# KiCad board keyboard.kicad_pcb (continued)
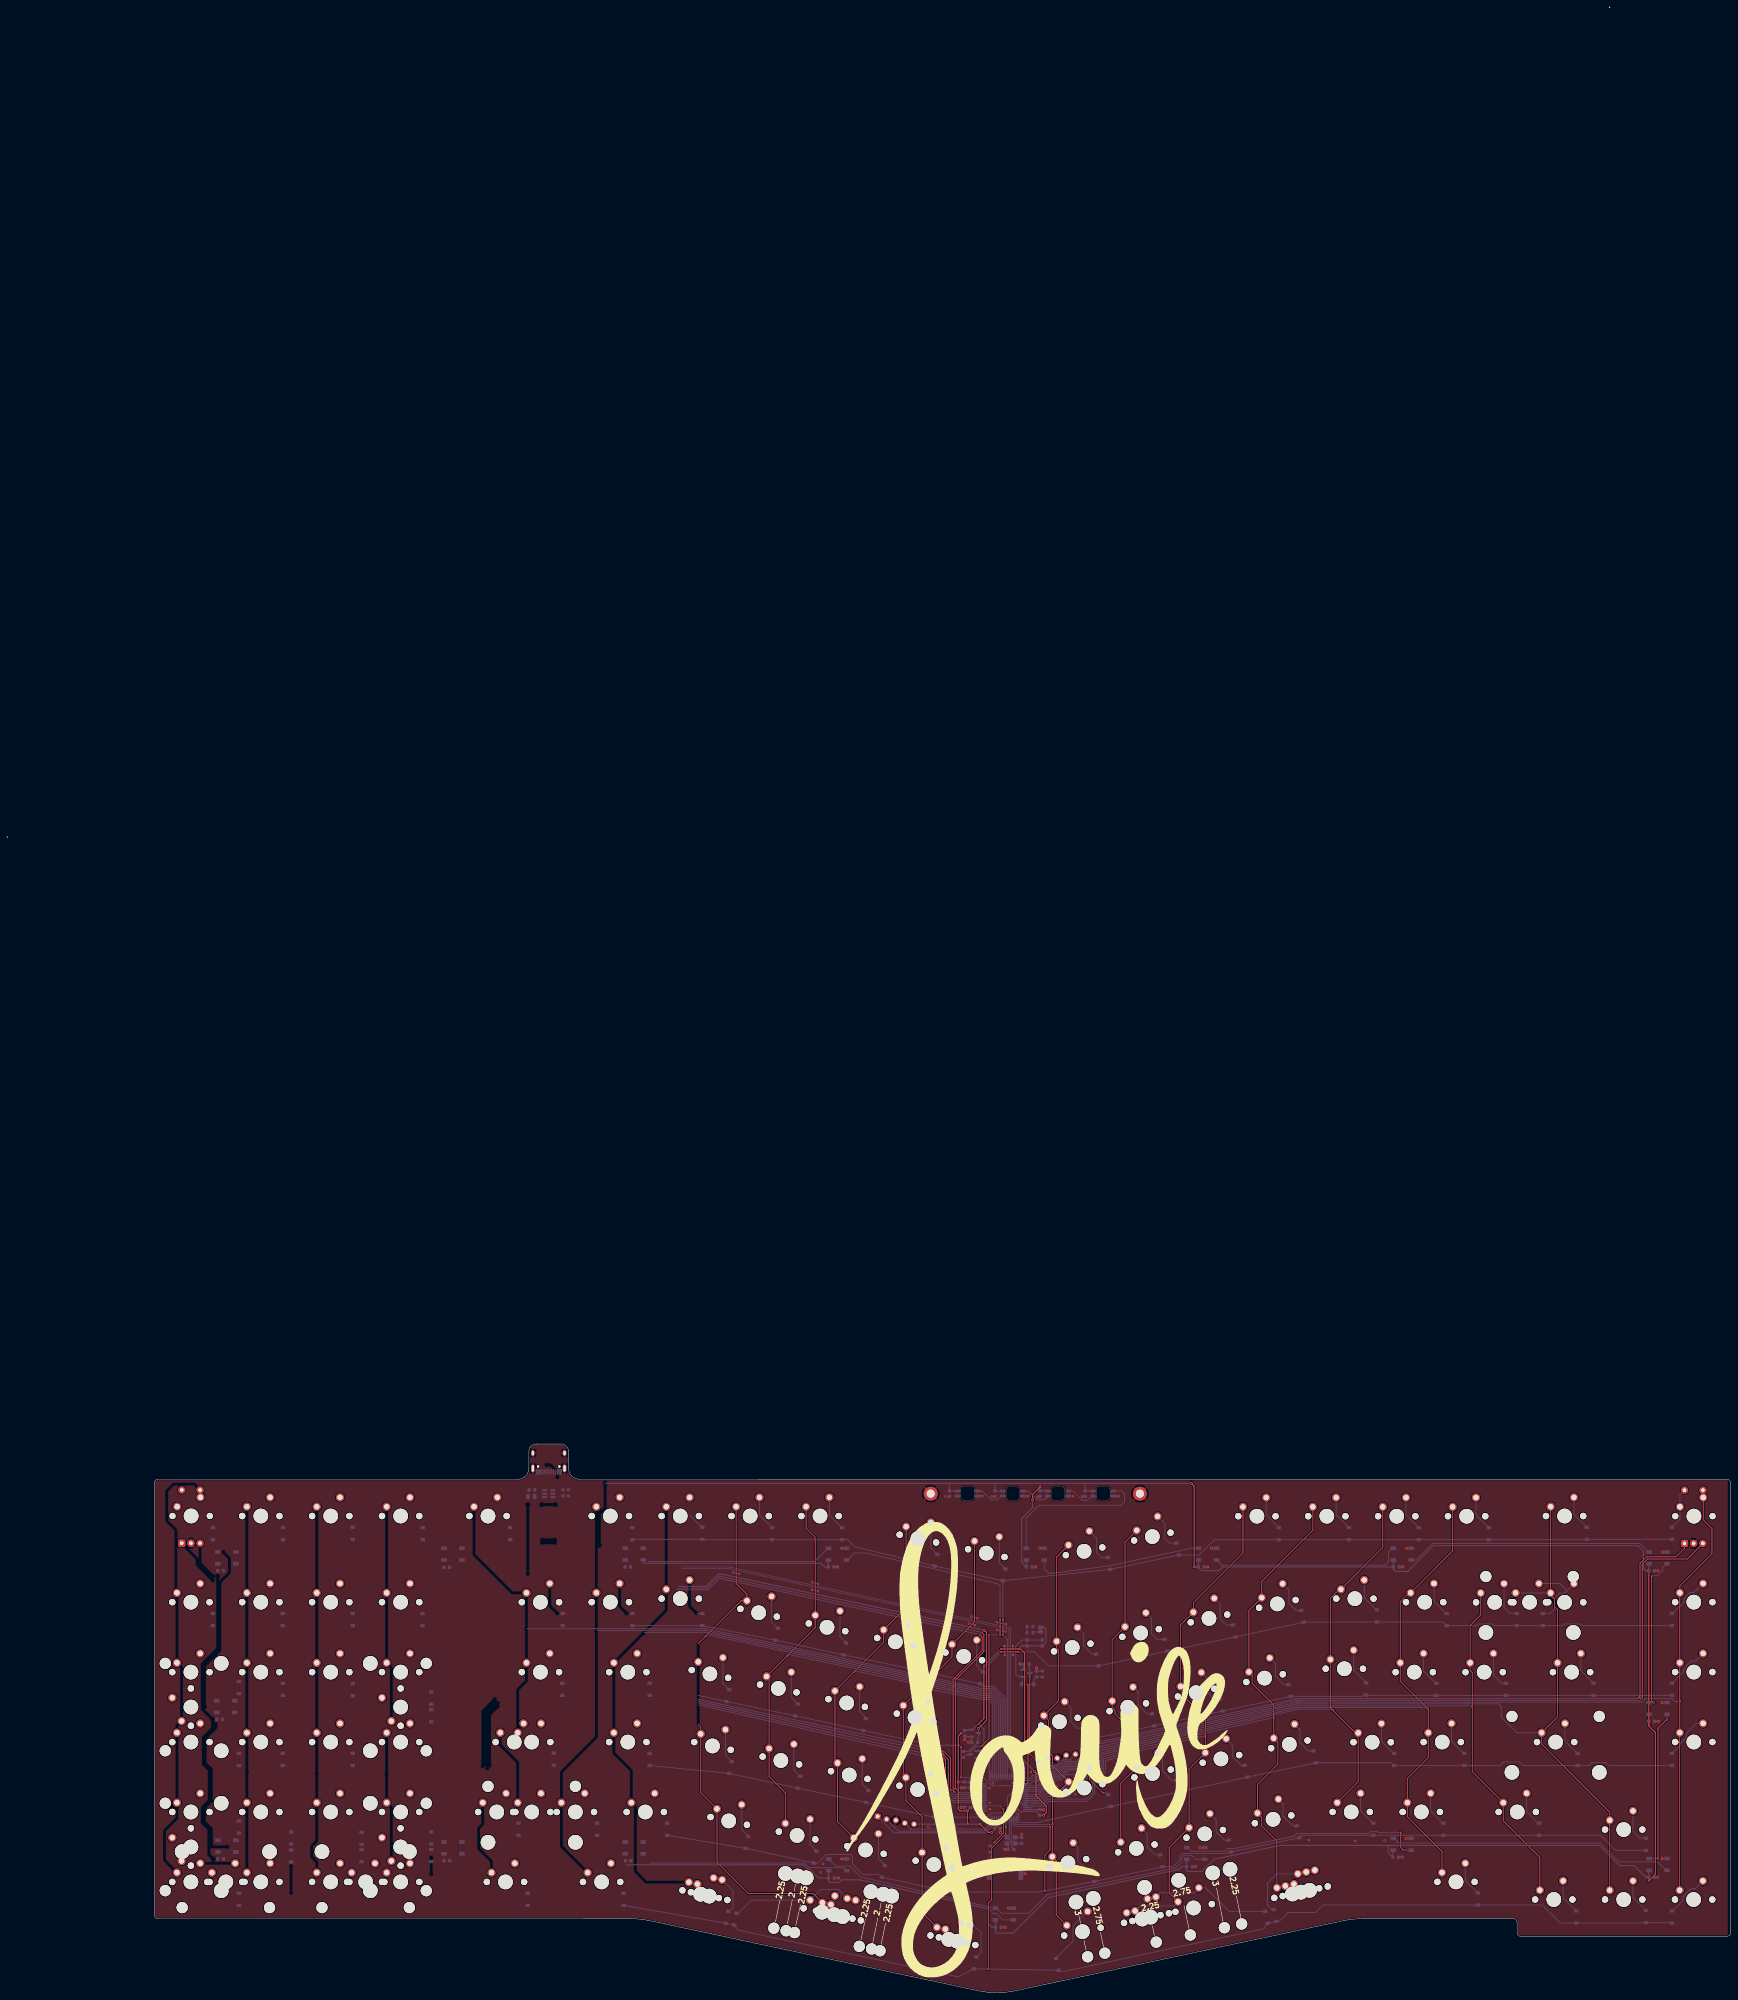
[diagram p0: board, top side]
## Routing (per net, layer and track width the routed paths; a pad name or vN(x,y) marks a point on that pad's centre or on a via; arc(x,y) is an arc through that point) (continued)
/SPARE_0: length 36.2
  Bottom w0.25: J3.1 237.16,48 241.62,43.54 266.53,43.54 269.07,46.09 U3.14
/SPARE_1: length 32.4
  Bottom w0.25: U3.15 268.57,46.29 266.27,43.99 242.83,43.99 J3.2
/SPARE_2: length 26
  Bottom w0.25: U3.16 268.07,46.43 266.19,44.54 246.19,44.54 J3.4
/SWDCLK: length 14.3
  Bottom w0.25: U3.49 278.85,56.87 279.6,57.62 279.6,57.64 280.2,58.24 280.95,58.24 284.62,61.92 285.85,61.92 288.55,64.62 J2.4
/SWDIO: length 13.4
  Bottom w0.25: J2.2 283.58,62.32 280.51,59.24 279.43,59.24 278.62,58.44 276.75,58.44 275.82,57.52 274.82,57.52 274.57,57.77 U3.46
/USB+: length 133.4
  Bottom w0.2: U3.45 274.05,58.82 274.05,61.01 273.35,61.71 273.35,66.24 ; 273.35,66.24 274.48,66.24 R7.2 ; 273.35,66.24 273.35,99.17 273.32,99.34 196.55,115.97 183.75,115.97
/USB-: length 131.2
  Bottom w0.2: U3.44 273.6,58.82 273.6,60.82 272.95,61.48 272.95,98.92 196.45,115.52 183.9,115.52
/XTAL_0: length 9.1
  Bottom w0.25: U3.5 273.57,41.69 274.62,40.64 Y1.3 274.7,40.69 C26.1
/XTAL_1: length 9.4
  Bottom w0.25: 272.43,42.2 273.6,41.03 273.6,39.72 C27.1 ; Y1.1 273.07,42.97 U3.6
Net-(BZ1-Pad1): length 6
  Bottom w0.25: BZ1.1 267.48,36.59 267.82,36.94 R8.2
Net-(D7-Pad2): length 50.4
  Bottom w0.25: 174.82,117.44 220.03,117.44 223.62,121.04 D7.2
Net-(D7-Pad4): length 97.9
  Top w0.25: v1(267.53,97.44) 267.53,69.22 v1(265.43,67.12) ; v1(270.53,97.44) v1(270.53,101.64)
  Bottom w0.25: v1(270.53,97.44) v1(267.53,97.44) ; R2.2 261.35,64.87 Q1.3 262.39,65.45 264.06,67.12 v1(265.43,67.12) ; v1(270.53,101.64) 270.53,110.74 269.93,111.34 234.02,119.74 230.82,119.74 228.93,117.84 D7.4
Net-(D10-Pad2): length 42.8
  Top w0.25: v1(449.82,36.52) 449.82,72.02 v1(452.23,74.42)
  Bottom w0.25: D18.4 452.23,75.77 v1(452.23,74.42) ; D10.2 v1(449.82,36.52)
Net-(D10-Pad4): length 78.2
  Bottom w0.25: D10.4 452.03,33.32 449.73,35.62 439.15,35.62 434.03,40.74 379.24,40.74 377.96,42.02 D8.2
Net-(D18-Pad2): length 42
  Top w0.25: v1(448.62,79.02) 448.03,79.62 448.03,113.32 v1(448.32,113.62)
  Bottom w0.25: D18.2 v1(448.62,79.02) ; D20.4 452.12,116.82 451.12,115.82 451.12,115.02 449.73,113.62 v1(448.32,113.62)
Net-(D20-Pad2): length 67.6
  Bottom w0.25: D28.4 383.93,117.84 388.43,122.34 444.93,122.34 447.25,120.02 D20.2
Net-(D28-Pad2): length 52.2
  Bottom w0.25: D36.4 330.93,116.44 375.43,116.44 376.43,117.44 376.43,120.04 377.43,121.04 D28.2
Net-(D37-Pad2): length 54.5
  Bottom w0.25: 175.12,35.32 217.23,35.32 218.5,34.04 227.9,34.04 D45.4
Net-(D44-Pad2): length 8.3
  Bottom w0.25: D44.2 295.47,135.26 294.32,134.12 292.93,134.12 290.43,136.62 D46.4
Net-(D45-Pad2): length 55.2
  Bottom w0.25: D45.2 225.73,34.52 229.53,34.52 232.53,31.52 267.62,23.32 267.93,23.02 267.93,22.22 268.62,21.52 269.53,21.52 271.23,19.82 D51.4
Net-(D46-Pad2): length 8.2
  Bottom w0.25: D52.4 278.18,136.62 280.53,134.27 282.6,134.27 D46.2
Net-(D51-Pad2): length 63
  Bottom w0.25: D51.2 269.55,23.02 270.95,21.62 278.23,21.62 283.23,26.62 318.53,34.02 320.07,35.57 320.07,36.87 320.62,37.42 322.73,37.42 323.82,36.32 D53.4
Net-(D52-Pad2): length 8.3
  Bottom w0.25: D60.4 265.62,136.62 268.03,134.22 269.82,134.22 270.87,135.26 D52.2
Net-(D53-Pad2): length 67.2
  Top w0.25: v1(379.73,43.54) 379.73,39.52 v1(380.43,38.82)
  Bottom w0.25: v1(380.43,38.82) D8.4 ; v1(379.73,43.54) 373.62,43.54 373.32,43.84 371.43,43.84 370.9,43.32 351.4,43.32 350.73,42.64 334.32,39.24 332.53,39.24 331.8,38.52 322.62,38.52 321.62,39.52 D53.2
Net-(D54-Pad2): length 4.9
  Bottom w0.25: D54.2 189.27,126.77 185.92,130.13
Net-(D55-Pad2): length 1.5
  Bottom w0.25: D55.2 187.9,103.27
Net-(D59-Pad2): length 13.1
  Bottom w0.25: SW128.2 194.27,31.26 SW48.2 197.73,27.8 197.73,23.02 196.84,22.13 D59.2
Net-(D61-Pad2): length 9.7
  Bottom w0.25: SW50.2 204.96,130.13 D61.2
Net-(D62-Pad2): length 9.4
  Bottom w0.25: D62.2 208.28,100.92 SW51.2
Net-(D63-Pad2): length 9.4
  Bottom w0.25: D63.2 195,84.2 SW52.2
Net-(D64-Pad2): length 9.4
  Bottom w0.25: SW53.2 195.7,64.64 197.37,62.97 D64.2
Net-(D65-Pad2): length 9.4
  Bottom w0.25: SW54.2 200.12,44.42 201.87,42.67 D65.2
Net-(D66-Pad2): length 36.3
  Bottom w0.25: SW49.2 229.37,25.16 SW55.2 226.41,28.12 221.7,28.12 SW129.1 202.7,25.19 199.14,21.63 D66.2
Net-(D67-Pad2): length 9.8
  Bottom w0.25: SW58.2 224.01,130.03 227.38,126.67 D67.2
Net-(D68-Pad2): length 9.4
  Bottom w0.25: SW59.2 226.91,96.93 228.57,95.27 D68.2
Net-(D69-Pad2): length 9.4
  Bottom w0.25: D69.2 215.37,78.67 213.63,80.41 SW60.2
Net-(D70-Pad2): length 9.5
  Bottom w0.25: D70.2 214.33,60.67 SW61.2
Net-(D71-Pad2): length 9.4
  Bottom w0.25: D71.2 220.47,38.67 218.76,40.39 SW62.2
Net-(D72-Pad2): length 13.5
  Bottom w0.25: SW63.2 260.57,18.46 SW56.2 263.28,18.46 265.32,16.42 265.32,10.99 D72.2
Net-(D73-Pad2): length 19.8
  Bottom w0.25: D73.2 276.74,84.29 Q2.1 275.61,86.03 274.82,86.82 274.82,94.34 276.53,96.04 SW57.2 SW57.2
Net-(D74-Pad2): length 9.4
  Bottom w0.25: D74.2 251.67,121.13 SW64.2
Net-(D75-Pad2): length 9.4
  Bottom w0.25: D75.2 245.55,93.05 SW65.2
Net-(D76-Pad2): length 9.4
  Bottom w0.25: SW66.2 232.27,76.57 233.97,74.87 D76.2
Net-(D77-Pad2): length 9.4
  Bottom w0.25: D77.2 234.67,55.07 232.97,56.78 SW67.2
Net-(D78-Pad2): length 9.4
  Bottom w0.25: D78.2 239.07,34.77 237.39,36.45 SW68.2
Net-(D79-Pad2): length 16.4
  Bottom w0.25: SW69.2 290.43,18.14 290.43,14.02 285.78,9.37 D79.2
Net-(D80-Pad2): length 9.4
  Bottom w0.25: SW72.2 270.32,117.08 D80.2
Net-(D81-Pad2): length 9.4
  Bottom w0.25: D81.2 264.18,89.02 SW73.2
Net-(D82-Pad2): length 9.4
  Bottom w0.25: SW74.2 250.9,72.44 252.57,70.77 D82.2
Net-(D83-Pad2): length 9.4
  Bottom w0.25: D83.2 253.27,51.17 251.6,52.84 SW75.2
Net-(D84-Pad2): length 9.4
  Bottom w0.25: SW76.2 256.02,32.52 257.77,30.77 D84.2
Net-(D85-Pad2): length 36
  Bottom w0.25: D85.2 332.94,22.13 326.5,28.57 SW71.2 323.33,27.19 314.13,27.19 SW70.2 312.5,25.57 SW77.2
Net-(D86-Pad2): length 10.3
  Bottom w0.25: SW78.2 296.82,123.74 296.82,119.82 298.11,118.53 D86.2
Net-(D87-Pad2): length 10
  Bottom w0.25: D87.2 295.61,92.23 293.32,94.52 293.32,97.8 SW79.2
Net-(D88-Pad2): length 10.3
  Bottom w0.25: SW80.2 289.82,77.59 289.82,73.82 291.61,72.03 D88.2
Net-(D89-Pad2): length 10
  Top w0.25: v1(298.53,54.44) 294.89,58.08 SW81.2
  Bottom w0.25: v1(298.53,54.44) 299.12,54.44 299.64,53.93 D89.2
Net-(D90-Pad2): length 10.3
  Bottom w0.25: D90.2 294.11,33.53 291.73,35.92 291.73,39.56 SW82.2
Net-(D91-Pad2): length 10.6
  Bottom w0.25: D91.2 316.61,122.43 315.43,123.62 315.43,127.74 SW85.2
Net-(D92-Pad2): length 10.6
  Bottom w0.25: D92.2 313.31,96.23 311.82,97.72 311.82,101.89 SW86.2
Net-(D93-Pad2): length 10.2
  Bottom w0.25: SW87.2 308.12,81.88 308.12,78.42 310.61,75.93 D93.2
Net-(D94-Pad2): length 10.2
  Bottom w0.25: SW88.2 314.82,63.9 314.82,60.32 317.21,57.93 D94.2
Net-(D95-Pad2): length 10.2
  Bottom w0.25: D95.2 312.81,37.53 310.62,39.72 310.62,43.26 SW89.2
Net-(D96-Pad2): length 22.5
  Bottom w0.25: D96.2 344.64,22.63 343.43,23.84 343.43,29.84 345.95,32.37 SW90.2 352.15,32.87 SW84.2 354.45,33.37 SW83.2
Net-(D97-Pad2): length 1.7
  Bottom w0.25: R6.2 277.85,99.66 D97.2
Net-(D98-Pad2): length 9.6
  Bottom w0.25: D98.2 343.06,130.13 SW91.2
Net-(D99-Pad2): length 10.4
  Bottom w0.25: SW92.2 330.53,105.79 330.53,101.82 332.21,100.13 D99.2
Net-(D100-Pad2): length 10.3
  Bottom w0.25: SW93.2 327.12,85.48 327.12,81.72 328.91,79.93 D100.2
Net-(D101-Pad2): length 9.9
  Bottom w0.25: D101.2 336.21,61.93 333.82,64.32 333.82,67.49 SW94.2
Net-(D102-Pad2): length 9.9
  Bottom w0.25: D102.2 331.71,41.53 329.43,43.82 329.43,47.05 SW95.2
Net-(D103-Pad2): length 9.6
  Bottom w0.25: SW96.2 362.12,130.18 D103.2
Net-(D104-Pad2): length 10.2
  Bottom w0.25: D104.2 351.11,104.13 349.23,106.02 349.23,109.68 SW97.2
Net-(D105-Pad2): length 10.1
  Bottom w0.25: D105.2 347.81,83.93 345.62,86.12 345.62,89.57 SW98.2
Net-(D106-Pad2): length 10.2
  Bottom w0.25: SW99.2 352.23,71.69 352.23,68.12 354.51,65.83 D106.2
Net-(D107-Pad2): length 10
  Bottom w0.25: SW100.2 347.62,51.45 347.62,48.12 350.31,45.43 D107.2
Net-(D108-Pad2): length 9.6
  Bottom w0.25: D108.2 381.17,130.13 SW101.2
Net-(D109-Pad2): length 9.7
  Bottom w0.25: SW102.2 369.76,107.58 373.07,104.27 D109.2
Net-(D110-Pad2): length 10.3
  Bottom w0.25: D110.2 366.89,87.83 366.89,93.3
Net-(D111-Pad2): length 9.7
  Bottom w0.25: D111.2 377.78,65.17 374.47,68.48 SW104.2
Net-(D112-Pad2): length 9.6
  Bottom w0.25: D112.2 372.18,46.17 368.76,49.58 SW105.2
Net-(D113-Pad2): length 9.5
  Bottom w0.25: SW106.2 397.31,30.58 D113.2
Net-(D114-Pad2): length 9.6
  Bottom w0.25: D114.2 400.22,130.18 SW107.2
Net-(D115-Pad2): length 9.7
  Bottom w0.25: SW108.2 388.76,106.58 392.07,103.27 D115.2
Net-(D116-Pad2): length 9.6
  Bottom w0.25: SW109.2 385.94,87.6 389.28,84.27 D116.2
Net-(D117-Pad2): length 9.7
  Bottom w0.25: SW110.2 393.56,68.48 396.88,65.17 D117.2
Net-(D118-Pad2): length 9.7
  Bottom w0.25: SW111.2 387.87,49.48 391.18,46.17 D118.2
Net-(D119-Pad2): length 9.7
  Bottom w0.25: SW112.2 423.97,25.83 D119.2
Net-(D120-Pad2): length 9.6
  Bottom w0.25: SW113.2 426.92,130.28 D120.2
Net-(D121-Pad2): length 10.6
  Bottom w0.25: D121.2 409.57,103.27 407.87,104.98 SW114.2
Net-(D122-Pad2): length 10.2
  Bottom w0.25: D122.2 407.28,84.27 404.99,86.55 SW115.2
Net-(D123-Pad2): length 9.6
  Bottom w0.25: D123.2 427.88,65.17 424.47,68.58 SW116.2
Net-(D124-Pad2): length 9.7
  Bottom w0.25: SW117.2 414.01,49.33 417.18,46.17 D124.2
Net-(D125-Pad2): length 9.5
  Bottom w0.25: D125.2 443.01,25.88 SW118.2
Net-(D126-Pad2): length 22
  Bottom w0.25: D126.2 420.45,103.27 421.62,104.44 421.62,107.42 423.03,108.82 424.34,108.82 424.99,109.48 ; 424.99,109.48 423.03,111.44 SW120.2 ; 424.99,109.48 SW119.2
Net-(D127-Pad2): length 9.5
  Bottom w0.25: D127.2 428.8,87.69 SW121.2
Net-(D128-Pad2): length 9.9
  Bottom w0.25: D128.2 444.88,42.07 443.01,43.93 SW122.2
Net-(D129-Pad2): length 12.4
  Bottom w0.25: SW123.2 459.94,28.32 458.82,28.32 456.62,26.12 456.62,25.12 453.78,22.27 D129.2
Net-(D130-Pad2): length 12.4
  Bottom w0.25: D130.2 453.78,103.27 456.93,106.42 456.93,107.32 458.62,109.02 459.69,109.02 SW125.2
Net-(D131-Pad2): length 12.3
  Bottom w0.25: SW126.2 460.04,90.32 458.93,90.32 456.73,88.12 456.73,87.37 D131.2
Net-(D132-Pad2): length 12.8
  Bottom w0.25: D132.2 453.68,65.17 455.82,67.32 455.82,67.8 457.53,69.5 457.53,70.62 460.25,73.35 SW127.2
Net-(D133-Pad2): length 11.5
  Bottom w0.25: D133.2 455.8,128.94 SW124.S2 455.8,135.62 SW124.S2
Net-(D134-Pad2): length 42.4
  Bottom w0.25: 301.45,136.64 303.73,136.64 304.43,135.94 304.43,133.64 303.53,132.74 281.12,132.74 277.68,129.29 D134.2
Net-(D134-Pad4): length 45.6
  Bottom w0.25: D134.4 282.57,115.39 283.72,114.25 284.93,114.25 300.23,116.24 322.62,121.04 D36.2
Net-(JP1-Pad1): length 2.2
  Bottom w0.25: JP1.1 279.75,98.24 R6.1

## Copper pours and planes (outline as drawn; the poured copper is in the pictures)
GND on Top, Bottom: 153.82,140.42 468.82,140.42 468.82,14.42 409.82,14.42 409.82,19.42 364.82,19.42 268.82,-1.58 171.82,19.42 38.83,19.42 38.83,140.42 140.82,140.42 140.82,150.42 153.82,150.42

## Text on the board
B.Fab: D | D25
B.Silkscreen: JLCJLCJLC | PWR | RST | DEBUG | 1.25 | 1.5 | 2.25 | 2 | PA0 | PA1 | GND | PA2 | 3V3 | 1 | STEPPED | NORMAL | nRST | IO | CLK | 2.75 | 3 | SPARE IO
F.Silkscreen: 2.25 | 2.75 | 2 | 3
